# Altium PCB Daughter Board.PcbDoc (part 3 of 3)
Units mil, origin at the board's own origin, x right, y up, seen from the top; angles counter-clockwise.
Board outline 3543.31 x 2755.91 mil, 4 copper layers (Top, GND, 3V3, Bottom), stack 70.5 mil thick; 212 components, 182 nets, 825 pads, 231 vias.
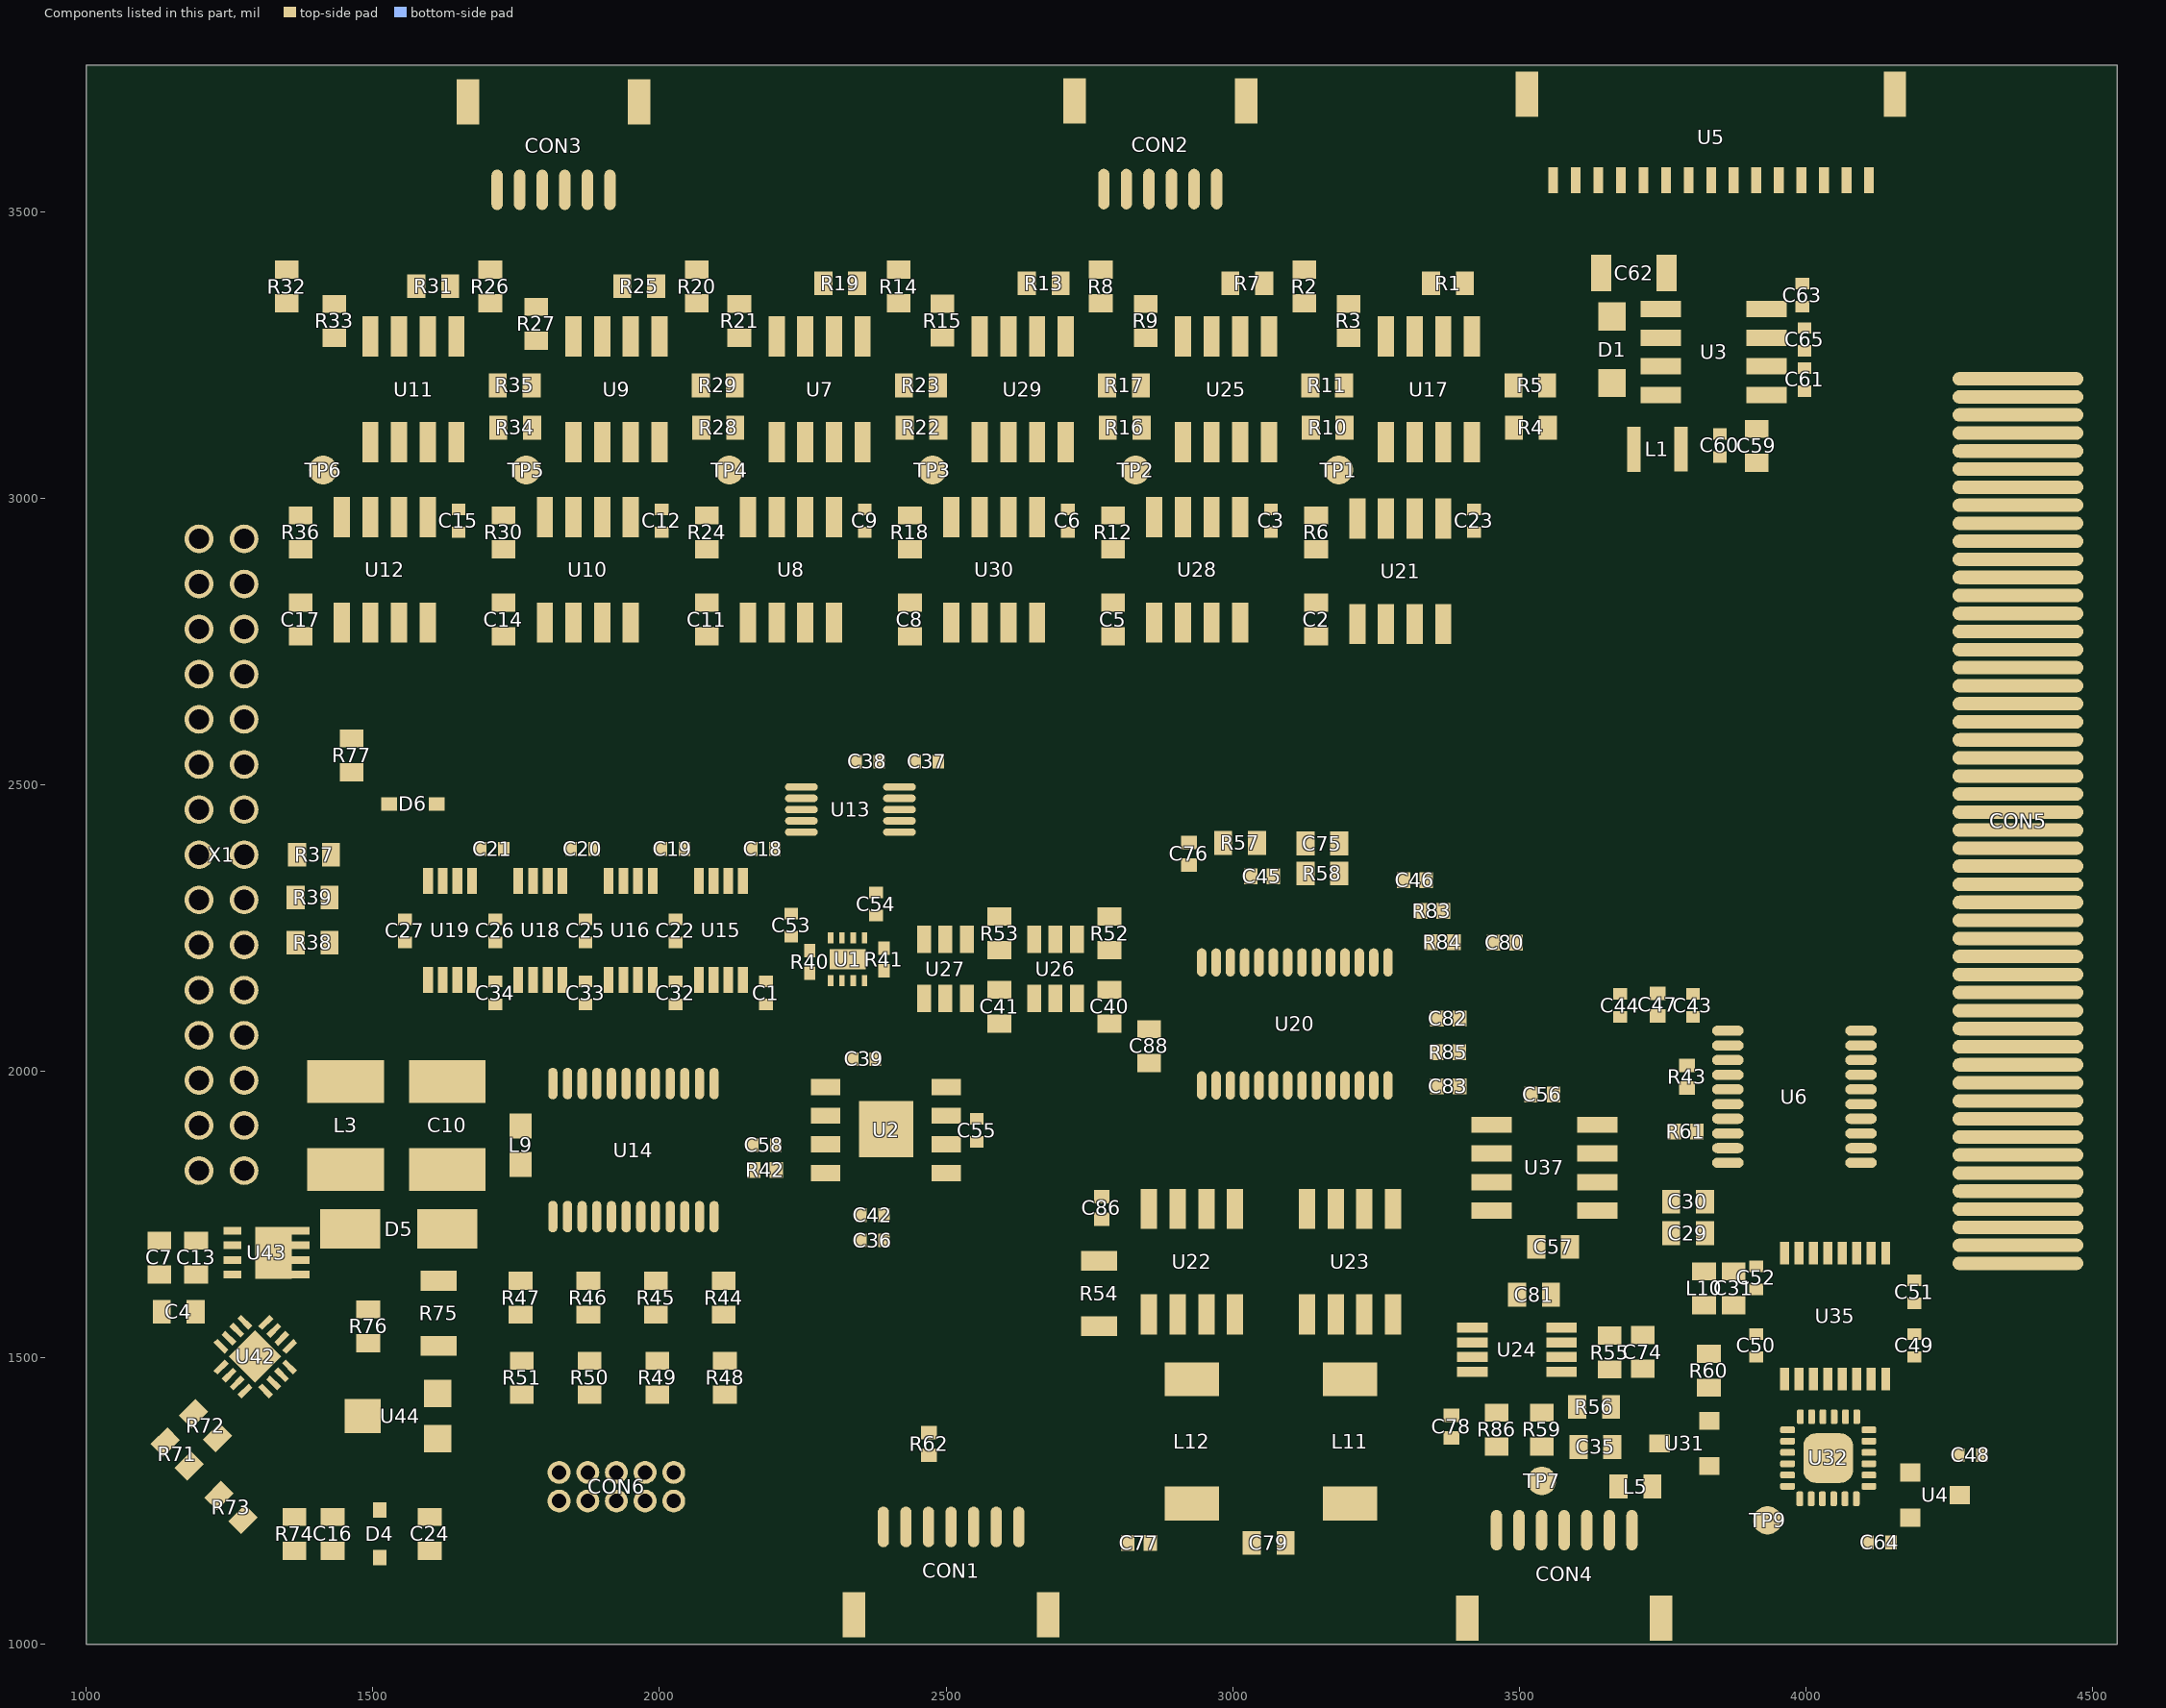
[diagram p5: the components of this part, seen from the top]

## Polygon pours and split planes (outlines as drawn)
GND on Top "Polygon_1_Net_GND" (solid, remove dead copper, pour order 0): 994,994 4549.31,994 4549.31,1635.92 4458.57,1635.92 4458.57,1317.45 4225.86,1084.74 1317.45,1084.74 1084.74,1317.45 1084.74,3438.45 1317.45,3671.17 4225.86,3671.17 4458.57,3438.45 4458.57,3238.09 4549.31,3238.09 4549.31,3761.91 994,3761.91
no net on Top "Top-No Net" (solid, pour order 4): 3655,1180
GND on GND "Polygon_2_Net_GND" (solid, remove dead copper, pour order 1): 995,995 4548.31,995 4548.31,3760.91 995,3760.91
GND on Bottom "Polygon_3_Net_GND" (solid, remove dead copper, pour order 2): 994,994 4549.31,994 4549.31,3761.91 994,3761.91
+3V3 on 3V3 "Polygon_1_Net_+3V3" (solid, remove dead copper, pour order 3): 992,3763.91 4551.31,3763.91 4551.31,992 992,992
no net on Conformal Coating Top "NONET_L-01_P-001" (solid): 1624.32,1474.76 1624.32,1321.42 1466.57,1321.42 1466.57,1474.76
no net on Conformal Coating Top "NONET_L-01_P-001" (solid): 2190,1320 2190,970 1660,970 1660,1320
no net on Conformal Coating Top "NONET_L-01_P-001" (solid): 3780,1220 3780,960 3380,960 3380,1220
no net on Conformal Coating Top "NONET_L-01_P-001" (solid): 2710,1230 2710,970 2310,970 2310,1230
no net on Conformal Coating Top "NONET_L-01_P-001" (solid): 4480,1550 4260,1550 4260,3330 4480,3330
no net on Conformal Coating Top "NONET_L-01_P-001" (solid): 3480,3530 3480,3790 4190,3790 4190,3530
no net on Conformal Coating Top "NONET_L-01_P-001" (solid): 2700,3510 2700,3770 3050,3770 3050,3510
no net on Conformal Coating Top "NONET_L-01_P-001" (solid): 1640,3510 1640,3770 1990,3770 1990,3510
no net on Conformal Coating Bottom "NONET_L-01_P-001" (solid): 1140,1770 1330,1770 1330,2980 1140,2980

## Keep-outs
Keep-Out Layer:
  the board outline again, w0

## Silkscreen, mask and mechanical layers (free items; w line width, h text height)
Bottom Overlay:
  text "August 20, 2020" at 4287.4,1688.98 h47.6 r270
  text "CLICK-A Daughter Board Rev. 3.2" at 4371.4,1688.98 h47.6 r270
Dimension:
  the board outline again, w0
Conformal Coating Top:
  region: 1242.55,3618.11 ccw(c1137.81,3618.11) 1137.8,3722.86 ccw(c1137.8,3618.11) 1033.05,3618.11 ccw(c1137.8,3618.11) 1137.8,3513.36 ccw(c1137.8,3618.11)
  region: 4510.26,3618.11 ccw(c4405.52,3618.11) 4405.51,3722.86 ccw(c4405.51,3618.11) 4300.76,3618.11 ccw(c4405.51,3618.11) 4405.51,3513.36 ccw(c4405.51,3618.11)
  region: 4510.26,1137.8 ccw(c4405.52,1137.8) 4405.51,1242.55 ccw(c4405.51,1137.8) 4300.76,1137.8 ccw(c4405.51,1137.8) 4405.51,1033.05 ccw(c4405.51,1137.8)
  region: 1242.55,1137.8 ccw(c1137.81,1137.8) 1137.8,1242.55 ccw(c1137.8,1137.8) 1033.05,1137.8 ccw(c1137.8,1137.8) 1137.8,1033.05 ccw(c1137.8,1137.8)
Conformal Coating Bottom:
  region: 1242.55,1137.8 ccw(c1137.81,1137.8) 1137.8,1242.55 ccw(c1137.8,1137.8) 1033.05,1137.8 ccw(c1137.8,1137.8) 1137.8,1033.05 ccw(c1137.8,1137.8)
  region: 4510.26,1137.8 ccw(c4405.52,1137.8) 4405.51,1242.55 ccw(c4405.51,1137.8) 4300.76,1137.8 ccw(c4405.51,1137.8) 4405.51,1033.05 ccw(c4405.51,1137.8)
  region: 4510.26,3618.11 ccw(c4405.52,3618.11) 4405.51,3722.86 ccw(c4405.51,3618.11) 4300.76,3618.11 ccw(c4405.51,3618.11) 4405.51,3513.36 ccw(c4405.51,3618.11)
  region: 1242.55,3618.11 ccw(c1137.81,3618.11) 1137.8,3722.86 ccw(c1137.8,3618.11) 1033.05,3618.11 ccw(c1137.8,3618.11) 1137.8,3513.36 ccw(c1137.8,3618.11)
Top Assembly:
  lines w12: 2830.71,1000 2830.71,1078.74 3145.67,1078.74 3145.67,1000 ; 2988.19,1000 2988.19,1078.74
  lines w16: 2318.9,1319.88 2318.9,1437.99 2712.6,1437.99 2712.6,1319.88 ; 1000,1000 1000,3755.91 4543.31,3755.91 4543.31,1000 1000,1000